# Allegro board SDHCalFEB.brd (continued)
## Routing (per net, layer and track width the routed paths; a pad name or vN(x,y) marks a point on that pad's centre or on a via; arc(x,y) is an arc through that point) (continued)
; U1048.4 v1(197.93,347.5) ; U792.1 v2(284.35,90.42) ; U954.1 v2(105.51,44.37) ; U847.2 v2(244.91,93.99) ; C72.1 v2(309.69,278.63) ; U1041.2 v1(264.6,345.77) ; C1126.2 v2(304.02,38.6) ; 317.63,75.84 v2(318.97,77.19) ; 317.63,75.84 317.75,75.84 ; C949.2 v2(138.46,155.89) ; U806.1 v2(276.97,59.69) ; R2156.1 v2(201.7,99.93) ; C1393.2 v1(268.26,344.42) ; R1500.1 v1(23.54,273.21) ; v2(319.23,316.13) 318.93,315.83 317.59,315.83 ; U30.2 v2(266.62,301.34) ; 78.61,155.85 v2(79.71,154.76) ; 78.61,155.85 v2(79.66,155.85) ; R1416.1 v2(204.5,322.63) ; R2063.1 v2(83.7,113.02) ; R1702.1 v2(300.67,243.46) ; D4.2 v1(348.69,34.24) ; v2(69.11,156.27) TP122.1 v2(68.22,157.16) ; U934.2 v2(175.95,71.33) ; R1761.1 v2(273.26,222.82) ; R2008.1 v2(332.69,144.49) ; C765.1 v2(306.21,118.61) ; TP131.1 v2(52.43,106) ; TP131.1 v2(51.54,105.11) ; TP131.1 v2(53.31,105.11) ; U198.1 v2(86.49,325.56) ; U739.1 v2(91.31,153.49) ; R2145.1 v2(151.68,99.91) ; U400.2 v2(130.01,258.98) ; C764.1 v2(300.73,118.58) ; R1691.1 v2(94.48,252.7) ; R2097.1 v2(188.96,119.23) ; U537.1 v2(266.82,166.47) ; TP27.1 v2(126.77,319.86) ; TP27.1 v2(125.88,320.75) ; TP27.1 v2(124.99,319.86) ; v2(316.31,172.55) TP92.1 v2(317.2,173.44) ; U435.2 v2(109.73,195.9) ; U612.1 v2(250.49,154.22) ; U343.2 v2(183.3,235.33) ; U443.1 v2(123.07,185.42) ; R1830.1 v2(204.47,201.73) ; C1040.2 v2(68.84,118.58) ; U369.2 v2(185.14,199.84) ; U1031.2 v1(55.98,21.09) ; C250.2 v2(141.34,317.06) ; R72.1 v2(326.62,277.74) ; R1154.1 v2(247.02,38.66) ; R1763.1 v2(115.51,224.86) ; R1892.1 v2(266.93,182.22) ; U204.1 v2(52.85,330.48) ; C937.1 v2(139.72,118.61) ; U804.2 v2(334.77,70.6) ; R1815.1 v2(162.71,199.92) ; U929.2 v2(110.53,76.43) ; U156.2 v2(117.08,299.64) ; U939.1 v2(176.68,62.34) ; U605.1 v2(186.84,157.94) ; C688.2 v2(58.73,198.62) ; R2272.1 v2(334.47,61.7) ; U491.2 v1(16.99,195.54) ; R2301.1 v2(179.15,61.47) ; 238.18,315.49 v2(239.17,316.48) ; 238.18,315.49 238.02,315.49 ; 238.18,315.49 v2(239.12,315.49) ; R2054.1 v2(113.76,127.71) ; U106.2 v2(176.91,285.16) ; U536.2 v2(276.79,156.39) ; R1802.1 v2(193.05,214.51) ; U672.1 v2(163.39,157.02) ; U597.1 v2(202.86,170.46) ; U344.2 v2(190.49,236.52) ; R1778.1 v2(254.47,209.75) ; U281.1 v2(261.55,227.1) ; U330.2 v2(235.56,247.46) ; R1432.1 v2(149.76,334.49) ; R1979.1 v2(174.49,147.65) ; R1742.1 v2(179.64,232.9) ; U32.2 v2(258.62,298.32) ; C869.2 238.61,155.8 ; C869.2 238.13,156.47 ; U782.1 v2(324.92,95.29) ; U114.1 v2(244.27,279.42) ; C1423.2 v2(355.83,170.97) ; R320.2 v2(92.43,329.39) ; C1466.1 v1(383.04,108.64) ; 311.83,39.24 v2(311.83,38.54) ; U141.2 v2(123.08,339.04) ; U465.1 v2(51.3,258.93) ; R1556.1 v2(39.91,271.68) ; C1212.2 v2(223.02,38.57) ; U51.1 v2(264.36,270.54) ; U47.1 v2(330.02,280.31) ; U192.2 v2(157.15,270.3) ; U229.1 v1(27.36,292) ; U920.2 v2(130.01,98.91) ; R1988.1 v2(258.77,149.13) ; U834.1 v1(280.6,17.98) ; TP99.1 v2(315.04,113.5) ; TP99.1 v2(315.93,114.38) ; TP99.1 v2(316.81,113.5) ; TP99.1 v2(315.93,112.61) ; U221.2 v1(26.53,310.44) ; TP153.1 v2(219.15,34.53) ; TP153.1 v2(218.26,33.64) ; TP153.1 v2(217.37,34.53) ; U704.1 v2(115.49,104.39) ; U296.1 v2(272.54,208.31) ; U762.1 v2(90.4,124.38) ; R2513.1 v1(386.28,101.4) ; U571.2 v2(263.08,110.46) ; U346.2 v2(182.76,227.23) ; TP88.1 v2(88.57,219.72) ; TP88.1 v2(86.79,219.72) ; TP88.1 v2(87.68,218.83) ; TP88.1 v2(87.68,220.61) ; U789.1 v2(291.33,90.45) ; U148.2 v2(101.59,315.21) ; R2020.1 v2(257.79,147.3) ; U314.2 v2(275.41,183.07) ; U569.1 v2(320.45,117.93) ; R1749.1 v2(326.91,225.67) ; R1968.1 v2(94.48,147.72) ; U779.1 v2(67.46,111.54) ; C518.2 v2(228.94,198.61) ; R1662.1 v2(119.92,252.66) ; 157.86,75.79 157.66,75.79 ; 157.86,75.79 v2(158.8,75.79) ; 180.21,279.3 v2(179.25,279.3) ; 210.05,249.56 v2(210.05,250.52) ; U121.1 v2(210.08,265.28) ; R1442.1 v2(174.47,321.77) ; R2570.2 v1(352.57,252.07) ; R1668.1 v2(324.48,242.69) ; U191.2 v2(166.4,269.08) ; U655.2 v2(155.5,167.45) ; R2566.2 v1(346.72,237.26) ; R1854.1 v2(138.4,194.55) ; U575.1 v2(287.59,97.92) ; R1586.1 v2(152.2,274.01) ; U441.2 v2(103.09,190.5) ; C506.1 v2(231.91,198.6) ; U646.1 v2(246.41,110.41) ; 317.84,156.51 v2(317.84,157.38) ; 317.84,156.51 v2(316.94,157.4) ; 317.84,156.51 C782.2 ; U800.1 v2(266.82,77.9) ; R1913.1 v2(254.48,172.69) ; R2309.1 v1(228.85,29.69) ; R2271.1 v1(24.99,61.21) ; R2229.1 v2(80.68,83.49) ; U272.2 v2(284.8,247.27) ; U852.2 v2(225.5,87.41) ; U641.1 v2(207.58,107.92) ; U664.2 v2(103.95,173.08) ; R2018.1 v2(177.38,156.56) ; U516.2 v2(86.39,189.12) ; v2(332.5,162.91) 333.15,162.26 R1919.1 ; U373.2 v2(241.33,205.55) ; R1620.1 v2(294.02,262.2) ; U338.2 v2(190.32,250) ; R2108.1 v2(243.69,113.02) ; R1555.1 v2(159.1,278.42) ; R238.1 v2(168.58,278.08) ; U1010.1 v1(28.53,48.21) ; U754.1 v2(89.06,125.98) ; U594.2 v2(210.05,170.46) ; U3.1 v2(326.6,325.55) ; U470.2 v2(39,236.5) ; v2(78.49,75.97) 78.28,76.17 C1391.2 ; 201.56,249.56 v2(201.56,250.52) ; U317.2 v2(298.89,177.9) ; U22.1 v2(321.94,317.17) ; U188.1 v2(146.11,257.89) ; U7.1 v2(304.04,326.42) ; U795.1 v2(280.36,76.45) ; U175.1 v2(110.06,275.99) ; U13.2 v2(270.35,330.04) ; v3(261.11,322.2) v2(260.35,322.2) ; U553.2 v2(257.94,135.52) ; U106.1 v2(176.91,286.46) ; R2584.2 v2(359.91,110.1) ; U615.2 v2(185.67,143.42) ; 207.55,188.85 v2(207.55,187.88) ; C81.2 v2(298.78,278.62) ; U292.1 v2(255.42,221.35) ; U945.2 v2(105.51,53.07) ; 158.67,155.83 v2(159.66,156.82) ; U66.2 v2(248.54,322.45) ; U378.2 v2(204.38,185.39) ; U617.2 v2(178.66,138.32) ; U515.2 v2(89.47,178.89) ; U91.2 v2(199.75,299.47) ; U560.2 v2(273.66,131.43) ; C775.2 v2(299.17,155.23) ; U259.1 v2(66.6,270.95) ; R1732.1 v2(94.24,238.08) ; 238.02,315.49 238.66,314.86 v2(239.12,314.86) ; 238.02,315.49 v3(237.72,315.49) 237.72,314.76 ; U564.2 v2(265.43,120.05) ; U11.2 v2(283.08,339.02) ; TP166.1 v2(67.87,77.4) ; TP166.1 v2(68.76,76.51) ; TP166.1 v2(67.87,75.62) ; U297.2 v2(334.04,214.36) ; U7.2 v2(304.04,328.94) ; U859.2 v2(183.94,93.07) ; R2220.1 v2(54.47,82.72) ; R2340.1 v1(150.5,27.23) ; U71.1 v2(234.04,330.02) ; U366.1 v2(177.9,206.83) ; U874.1 v2(254.76,62.31) ; R1678.1 v2(282.15,245.96) ; R2099.1 v2(51.68,99.91) ; R1862.1 v2(120.7,187.45) ; R1992.1 v2(257.84,161.46) ; 157.66,75.79 158.75,76.89 v2(158.76,76.89) ; 157.66,75.79 C1304.2 ; U87.2 v2(240.3,317.01) ; C1391.2 v2(76.95,74.51) ; C1391.2 v2(78.52,74.6) ; U369.1 v2(185.14,201.14) ; U473.1 v2(37.16,238) ; R1476.1 v1(18.16,325.83) ; U451.2 v2(166.4,189.12) ; U587.2 v2(244.88,174) ; U202.2 v2(61.53,330.58) ; U710.2 v2(168.92,97.94) ; C1210.2 v2(218.47,75.85) ; C1029.1 v2(69.84,118.58) ; TP110.1 v2(248.95,141) ; TP110.1 v2(247.17,141) ; TP110.1 v2(248.06,141.89) ; TP110.1 v2(248.06,140.12) ; R1519.1 v2(162.94,289.7) ; v2(158.72,128.5) TP121.1 v2(157.84,129.39) ; U849.1 v2(244.02,90.02) ; U373.1 v2(241.33,206.85) ; U699.1 v2(160.18,117.93) ; U1026.2 v2(38.01,36.8) ; U990.2 v2(38.55,78.89) ; R2335.1 v1(229.26,19.74) ; 317.71,235.52 v2(316.85,234.66) ; 317.71,235.52 v2(317.71,234.49) ; J34.B28 v1(391.92,196.73) ; U1068.7 v1(82.63,353) ; R1570.1 v2(178.88,282.25) ; C1028.1 v2(71.85,118.58) ; C426.2 v2(301.36,236.94) ; R1593.1 v2(202.23,268.84) ; U120.2 v2(203.68,261.57) ; R1431.1 v2(301.98,333.71) ; R1780.1 v2(78.84,198.41) ; U86.1 v2(181.71,307.3) ; U165.1 v2(104.14,292.22) ; R1821.1 v2(263.47,197.69) ; U602.2 v2(185.51,166.47) ; R2276.1 v2(320.42,62.2) ; U976.2 v2(89.14,81.41) ; U854.1 v2(212.85,90.42) ; U90.1 v2(188.29,305.74) ; U470.1 v2(40.3,236.5) ; R2132.1 v2(177.45,112.2) ; TP22.1 v2(307.54,317.63) ; TP22.1 v2(307.54,315.85) ; TP22.1 v2(306.65,316.74) ; TP22.1 v2(308.43,316.74) ; R2264.1 v2(273.84,70.66) ; U774.1 v2(77.58,97.94) ; R1399.1 v2(254.48,332.77) ; U190.2 v2(169.48,258.83) ; U552.1 v2(258.67,139.64) ; R2310.1 v1(149.17,29.87) ; R1864.1 v2(259.92,192.68) ; U276.1 v2(275.57,236.37) ; U306.2 v2(265.4,193.08) ; R1804.1 v2(74.5,191.69) ; 143.09,199.26 v2(143.09,198.56) ; U599.2 v2(185.18,173.05) ; U785.2 v2(315.49,87.44) ; U29.1 v2(334.04,300.03) ; U757.1 v2(26.49,116.53) ; R1757.1 v2(275.61,224.81) ; U502.1 v2(90.37,205.89) ; U110.2 v2(190.88,276.12) ; U417.1 v2(171.73,235.4) ; U397.2 v2(145.54,247.43) ; U210.1 v2(39.87,317.53) ; U586.1 v2(249.83,162.51) ; C858.2 v2(237.83,153.53) ; C600.2 v2(156.52,204.8) ; R2023.1 v1(24.48,111.08) ; U778.1 v2(70.45,113.06) ; C504.1 v2(226.1,198.55) ; C1402.2 v1(192.32,351.56) ; 131.35,266.32 v2(131.35,265.35) ; U100.1 v2(184.4,292.23) ; U331.1 v2(234.06,250.02) ; C73.1 v2(305.01,278.6) ; C512.2 v2(238.32,204.79) ; R1487.1 v2(159.18,301.96) ; R2053.1 v2(193.79,127.68) ; C428.2 v2(308.82,198.44) ; U1001.1 v1(31.58,56.95) ; U92.1 v2(255.55,304.88) ; R1697.1 v2(259.93,251.72) ; U852.1 v2(225.5,84.89) ; R1596.1 v2(268.16,271.45) ; U984.1 v2(52.85,90.42) ; R2052.1 v2(273.9,127.71) ; C159.1 v2(229.63,278.5) ; U16.1 v2(275.49,316.4) ; R2116.1 v2(218.41,114.5) ; U415.2 v2(107.42,225.74) ; R2356.1 v2(124.49,41.71) ; TP82.1 v2(55.24,248.78) ; TP82.1 v2(55.24,247) ; TP82.1 v2(54.36,247.89) ; U850.1 v2(235.48,84.89) ; R1648.1 v2(332.2,250.38) ; U38.2 v2(327.28,296.17) ; U326.1 v2(249.83,242.44) ; U595.1 v2(211.35,178.92) ; U164.1 v2(97.84,291.51) ; 202.86,249.56 v2(202.86,250.52) ; U253.2 v2(68.87,257.89) ; U742.2 v2(90.81,154.29) ; U340.1 v2(200.3,236.52) ; U378.1 v2(203.08,185.39) ; R1549.1 v2(319.35,278.44) ; U713.2 v2(148.53,114.02) ; R2286.1 v2(105.66,66.32) ; R2006.1 v2(98.94,153.67) ; R1978.1 v2(254.52,147.72) ; R2354.1 v2(284.48,41.68) ; U140.2 v2(130.01,339.04) ; TP167.1 v2(43.33,79.31) ; TP167.1 v2(44.22,80.2) ; TP167.1 v2(44.22,78.42) ; TP167.1 v2(45.11,79.31) ; U795.2 v2(279.06,76.45) ; U776.1 v2(86.44,110.41) ; U500.1 v2(37.03,195.36) ; U544.2 v2(334.77,152.08) ; U512.2 v2(57.39,177.9) ; U667.1 v2(106.83,166.47) ; TP71.1 v2(120.22,237.85) ; TP71.1 v2(120.22,239.63) ; TP71.1 v2(119.33,238.74) ; TP71.1 v2(121.11,238.74) ; R1711.1 v2(279.92,252.68) ; C1425.2 v2(355.78,147.85) ; C339.2 v2(77.86,311.23) ; R1506.1 v2(178.65,301.45) ; U719.2 v2(84.02,171.33) ; R1900.1 v2(179.91,182.75) ; R1748.1 v2(95.29,211.53) ; U933.1 v2(166.82,74.96) ; U293.2 v2(256.21,216.17) ; U264.2 v2(314.8,257.23) ; v1(240.37,357.07) R1354.1 v1(239.61,356.13) ; U509.1 v2(40.41,187.99) ; TP81.1 v2(87.3,249.56) ; TP81.1 v2(86.41,248.67) ; TP81.1 v2(85.52,249.56) ; TP81.1 v2(86.41,250.45) ; 269.37,66.11 v2(268.4,66.11) ; U90.2 v2(188.29,304.44) ; U218.1 v2(77.29,314.52) ; R1707.1 v2(190.41,242.19) ; U461.2 v2(74.07,251.32) ; U17.1 v2(266.88,326.52) ; R1471.1 v2(122.68,316.03) ; R1464.1 v2(95.96,300.74) ; U691.2 v2(97.97,125.49) ; U68.2 v2(246.58,326.85) ; U323.2 v2(308.55,194.06) ; R2358.1 v2(271.68,39.9) ; U740.1 v1(27.1,153.32) ; R2051.1 v1(29.79,109.56) ; U103.2 v2(242.29,299.82) ; U242.2 v2(88.53,289) ; R2203.1 v2(140.72,95.98) ; R2100.1 v2(258.43,123.68) ; R1450.1 v2(180.34,322.2) ; R1866.1 v2(108.18,191.47) ; R2259.1 v2(82.55,65.23) ; R1433.1 v2(214.48,332.66) ; R2140.1 v2(241.7,99.91) ; U895.1 v2(196.42,40.43) ; R1669.1 v2(175.48,240.71) ; C1033.2 v2(78.12,153.45) ; U666.1 v2(115.5,156.41) ; R1694.1 v2(143.02,253.72) ; U546.2 v2(276.92,139.4) ; U442.2 v2(112.89,178.87) ; U1006.1 v2(29.86,59.33) ; U127.2 v2(240,273.94) ; U512.1 v2(56.09,177.9) ; R1401.1 v2(239.78,334.49) ; C67.1 v2(299.78,278.63) ; C768.1 v2(309.95,118.61) ; U358.2 v2(177.9,215.53) ; R1463.1 v2(98.22,309.75) ; U593.1 v2(224.03,170.03) ; C1481.2 v2(344.7,104.56) ; C1481.2 347.24,104.01 ; C1481.2 v2(345.55,103.42) ; C1481.2 v2(345.61,105.64) ; C681.1 v2(69.89,198.62) ; U797.2 v2(265.5,86.46) ; R2125.1 v2(120.7,107.48) ; U410.1 v2(106.85,238) ; R1629.1 v2(186.95,262.21) ; R1449.1 v2(124.24,321.85) ; U895.2 v2(196.42,39.13) ; R2034.1 v2(112.47,140.7) ; R1785.1 v2(262.87,207.01) ; U124.1 v2(237.56,257.86) ; U401.1 v2(124.38,258.93) ; C71.1 v2(311.61,278.63) ; U590.1 v2(235.53,164.93) ; C594.1 v2(149.83,198.59) ; U189.2 v2(158.84,257.86) ; U925.2 v2(119.06,76.48) ; R1472.1 v2(98.02,315.37) ; R1824.1 v2(81.71,179.91) ; U350.1 v2(188.54,226.03) ; U118.1 v2(204.54,266.8) ; U873.2 v2(241.72,67.26) ; C80.2 v2(298.11,316.36) ; R1965.1 v2(294.5,162.68) ; U203.2 v2(58.86,327.91) ; v1(361.16,287.86) C1473.2 362.69,290.68 v1(362.94,290.93) ; U226.1 v2(28.64,303.07) ; R2081.1 v2(237.71,118.42) ; U367.1 v2(177.39,199.97) ; U435.1 v2(109.73,197.2) ; R1797.1 v2(271.53,214.73) ; U572.2 v2(272.88,98.88) ; R1881.1 v2(234.01,182.22) ; TP164.1 v2(134.98,38.16) ; TP164.1 v2(135.86,39.09) ; TP164.1 v2(135.86,37.27) ; TP164.1 v2(136.75,38.16) ; U477.2 v2(80.96,237.01) ; R1922.1 v2(160.68,163.5) ; U751.2 v1(17.6,117.64) ; U443.2 v2(124.37,185.42) ; R2539.1 v1(377.9,279.6) ; C511.2 v2(221.35,237.05) ; U277.2 v2(265.55,246.53) ; R1709.1 v2(238.95,230.74) ; R2176.1 v2(334.48,92.71) ; U83.2 v2(182.4,315.68) ; U616.2 v2(176.99,144.11) ; U535.2 v2(279.03,156.49) ; R1406.1 v2(279.91,332.71) ; U532.1 v2(282.87,170.46) ; U798.2 v2(261.91,74.98) ; 208.85,188.85 v2(208.85,187.88) ; U66.1 v2(249.84,322.45) ; R2123.1 v2(280.72,107.48) ; R1755.1 v2(176.02,227.44) ; R1634.1 v2(106.94,262.21) ; U961.1 v2(119.6,36.63) ; U912.2 v2(164.95,93.99) ; U76.1 v2(204.37,338.99) ; TP93.1 v2(280.14,158) ; TP93.1 v2(280.14,159.77) ; TP93.1 v2(279.25,158.89) ; TP93.1 v2(281.03,158.89) ; U406.2 v2(116.8,236.4) ; R1636.1 v2(99.91,262.67) ; C951.2 v2(142.78,118.55) ; U60.1 v2(327.56,257.88) ; U712.1 v2(161.33,114.05) ; R1766.1 v2(194.99,219.26) ; U411.2 v2(104.33,227.1) ; R1739.1 v2(114.66,234.48) ; C863.2 v2(218.78,118.58) ; 310.84,39.24 v2(310.84,38.54) ; U913.2 v2(165.48,87.44) ; U250.1 v2(47.53,257.94) ; R1686.1 v2(100.39,242.19) ; U218.2 v2(77.29,313.22) ; U274.1 v2(265.88,254.03) ; 308.87,39.24 v2(308.87,38.54) ; R2273.1 v2(253.75,59.94) ; U428.2 v2(165.5,218.52) ; R2252.1 v2(258.87,69.12) ; U403.1 v2(110.39,251.33) ; R2111.1 v2(315.97,110.71) ; U364.1 v2(247.91,206.1) ; R2056.1 v2(264.16,130.06) ; U917.1 v2(145.47,84.89) ; v1(341.63,321.84) R2558.2 v1(342.4,321.06) ; U539.1 v2(271.85,156.46) ; R1540.1 v2(83.7,272) ; R1961.1 v2(304.49,162.71) ; U980.1 v2(75.49,84.87) ; R1765.1 v2(268.41,223.17) ; C1120.2 v2(317.41,73.47) ; U588.2 v2(245.49,167.42) ; R2194.1 v2(273.66,95.98) ; R2164.1 v2(179.92,102.72) ; R1576.1 v2(51.76,259.93) ; U132.1 v2(171.32,338.89) ; C1386.2 v2(62.97,38.56) ; R1923.1 v2(150.67,163.5) ; U24.2 v2(338.03,310.32) ; U679.1 v2(169.62,143.63) ; R1704.1 v2(124.48,242.69) ; C252.2 v2(157.63,313.4) ; R2026.1 v2(116.37,143.86) ; 158.33,315.1 v2(159.38,314.05) ; 158.33,315.1 158.33,314.46 v2(157.96,314.1) ; 158.33,315.1 C261.2 159.28,315.95 ; U837.1 v1(303.84,14.07) ; U135.2 v2(156.59,326.81) ; U56.1 v2(287.56,267.86) ; C245.1 v2(151.88,278.63) ; U439.1 v2(160.67,207.98) ; U454.1 v2(147.55,191.52) ; R1541.1 v2(335.96,284.65) ; U6.1 v2(314.02,330.02) ; U42.1 v2(259.25,281.56) ; R1788.1 v1(30.27,188.99) ; U431.2 v2(97.87,205.55) ; U726.1 v2(44.37,178.89) ; U924.1 v2(105.86,94.03) ; R1544.1 v2(74.46,271.7) ; R1836.1 v2(51.69,179.91) ; U59.2 v2(318.85,257.88) ; U518.1 v2(69.84,194.06) ; U258.1 v2(69.82,273.99) ; R1868.1 v2(334.01,182.22) ; C605.2 v2(148.84,198.58) ; U118.2 v2(205.84,266.8) ; U851.2 v2(234.04,91.32) ; U95.2 v2(184.58,302.84) ; U183.1 v2(124.09,266.47) ; v2(330.25,48.49) TP142.1 v2(331.14,49.38) ; R1357.1 v1(198.55,344.33) ; v1(351.08,182.47) U1057.5 v1(353.82,182.47) ; R1955.1 v2(80.67,161.93) ; U374.2 v2(242.53,198.6) ; R2285.1 v2(185.7,66.19) ; R1834.1 v2(188.7,198.96) ; U711.1 v2(166.4,110.41) ; U631.2 v2(193.99,108.15) ; U874.2 v2(254.76,63.61) ; R2331.1 v2(181.41,51.23) ; U616.1 v2(176.99,145.41) ; R71.2 v2(336.78,312.76) ; R1942.1 v2(150.75,168.4) ; U951.1 v2(97.94,46.81) ; U904.2 v1(226.55,23.72) ; U545.2 v2(268.17,145.12) ; U872.2 v2(254.18,67.37) ; R2210.1 v2(219.92,82.71) ; R1574.1 v2(256,269.74) ; TP98.1 v2(292.68,104.17) ; TP98.1 v2(293.57,105.06) ; TP98.1 v2(291.8,105.06) ; TP98.1 v2(292.68,105.95) ; U526.1 v2(302.49,174.39) ; R2067.1 v2(74.49,111.71) ; R1616.1 v2(300.74,258.42) ; U689.2 v2(166.38,136.65) ; U402.1 v2(122.85,250.47) ; C684.2 v2(61.33,237.07) ; R1236.2 v2(172.43,89.13) ; R1414.1 v2(213.72,325.96) ; R986.2 v2(91.69,169.39) ; R1888.1 v2(281.74,179.91) ; TP103.1 v2(227.43,156.68) ; TP103.1 v2(225.65,156.68) ; TP103.1 v2(226.54,157.57) ; R2524.1 v1(382.27,97.15) ; R1497.1 v2(274.05,301.48) ; R2295.1 v1(23.47,52.45) ; U278.1 v2(260.41,235.18) ; U345.2 v2(185.54,237.97) ; U147.1 v2(106.85,326.52) ; R1510.1 v2(254.64,294.48) ; U480.1 v1(27.43,235.34) ; U1003.1 v2(87.2,62.92) ; C166.2 v2(218.47,315.94) ; R1953.1 v2(179.91,171.7) ; C1200.1 v2(226.1,38.6) ; R1421.1 v2(85.98,313.66) ; R2352.1 v1(111.89,29.72) ; C257.2 v2(148.91,278.62) ; U849.2 v2(244.02,91.32) ; U831.1 v2(279.16,37.11) ; U76.2 v2(203.07,338.99) ; U716.1 v2(89.83,162.38) ; U922.2 v2(121.55,90.4) ; R2093.1 v2(204.49,121.69) ; R1480.1 v1(22.17,298.83) ; C1304.2 v2(157.36,77.32) ; C1304.2 v2(157.36,74.27) ; U40.2 v2(273.15,291.46) ; R2129.1 v2(108.21,111.46) ; 78.11,235.86 v2(79.28,235.86) ; 78.11,235.86 77.95,235.86 ; 78.11,235.86 v2(79.44,237.2) ; U918.2 v2(143.99,91.32) ; TP44.1 v2(40.46,274.8) ; TP44.1 v2(40.46,276.58) ; TP44.1 v2(41.35,275.69) ; TP44.1 v2(39.57,275.69) ; U997.1 v2(81.2,77.01) ; U550.1 v2(264.59,144.11) ; R1781.1 v2(327.84,210.51) ; U634.2 v2(240.85,117.91) ; U640.2 v2(208.88,97.92) ; U707.1 v2(136.1,97.94) ; U651.2 v2(168.54,162.36) ; U656.1 v2(142.47,174.36) ; U361.2 v2(185.62,208.62) ; U876.1 v2(177.22,65.32) ; R1782.1 v2(242.82,209.15) ; C1288.1 v2(142.35,77.03) ; U598.1 v2(190.37,171.34) ; R2019.1 v2(84.41,128.76) ; U580.2 v2(328.86,97.94) ; U245.1 v2(36.32,281.86) ; U797.1 v2(266.79,86.46) ; v1(236.21,353.39) C1400.2 v1(235.42,352.56) ; U284.1 v2(338,229.04) ; U673.1 v2(166.85,154.99) ; R2282.1 v2(162.99,65.25) ; U332.1 v2(225.53,244.91) ; R1692.1 v2(80.74,248.42) ; U587.1 v2(244.88,175.3) ; U355.2 v2(184.71,222.77) ; R1684.1 v2(77.3,231.4) ; R1934.1 v2(174.47,172.72) ; R1504.1 v1(20.77,273.01) ; U824.2 v2(265.51,43.07) ; R1526.1 v2(184.15,289.98) ; R2280.1 v2(319.56,63.83) ; R1423.1 v2(100.36,322.2) ; U379.2 v2(195.48,183.07) ; U154.2 v2(170.02,316.97) ; U495.1 v1(28.35,197.01) ; U1044.5 v1(267.47,349.65) ; U102.2 v2(251.82,287.86) ; U637.1 v2(191.6,98.91) ; U658.2 v2(144.02,171.33) ; U143.1 v2(113.36,330.32) ; R1483.1 v2(173.76,301.96) ; U104.2 v2(248.13,286.82) ; U71.2 v2(234.04,331.32) ; U869.2 v2(255.96,71.33) ; R1663.1 v2(39.91,252.68) ; U395.1 v2(155.55,244.91) ; R1786.1 v2(245.89,208.9) ; U300.1 v2(274.5,212.46) ; U199.1 v2(86.03,330.03) ; U774.2 v2(78.88,97.94) ; C778.2 v2(303.92,118.61) ; C256.2 v2(143.78,278.49) ; C763.1 v2(299.74,118.58) ; R1543.1 v2(98.51,293.68) ; U32.1 v2(258.62,299.62) ; U283.2 v2(329.36,231.38) ; U846.1 v2(249.83,82.37) ; 237.19,76.07 v2(238.76,74.5) ; 237.19,76.07 v2(238.57,76.07) ; 237.19,76.07 C1217.2 ; C1381.2 v2(77.05,73.44) ; 318.36,155.85 C782.2 ; 318.36,155.85 v2(319.29,154.93) ; R1812.1 v2(50.72,188.42) ; U309.2 v2(321.83,197.89) ; U267.1 v2(305.56,244.94) ; U15.1 v2(280.31,316.51) ; R1391.1 v2(99.92,331.72) ; U407.1 v2(106.83,246.48) ; R1850.1 v2(154.48,191.69) ; R2572.2 v1(346.92,252.09) ; U495.2 v1(27.38,198.92) ; U132.2 v2(170.02,338.89) ; U366.2 v2(177.9,205.53) ; R1960.1 v2(53.71,163.5) ; R1954.1 v2(99.9,171.7) ; U204.2 v2(52.16,329.51) ; C685.2 v2(77.79,233.46) ; U920.1 v2(131.31,98.91) ; U871.2 v2(197.39,59.82) ; R2209.1 v2(309.91,82.71) ; U494.1 v2(91.38,218.36) ; R1682.1 v2(260.38,242.19) ; R1563.1 v2(104.5,280.03) ; U357.2 v2(178.61,218.3) ; R2013.1 v2(242.72,139.91) ; R2218.1 v2(260.71,93.01) ; R2094.1 v2(124.5,121.69) ; U850.2 v2(235.48,87.41) ; U791.1 v2(284.37,98.91) ; C335.1 v2(70.82,278.52) ; 82.33,199.52 v2(82.33,198.55) ; U280.1 v2(265.37,238) ; U801.1 v2(263.15,67.13) ; R1575.1 v2(98.89,283.67) ; C773.2 v2(313.32,120.26) ; U627.2 v2(176.81,117.16) ; U840.1 v2(304.41,33.83) ; U801.2 v2(264.45,67.13) ; U669.1 v2(111.8,156.46) ; U423.1 v2(98.88,217.44) ; R2206.1 v2(335.45,80.72) ; U518.2 v2(68.54,194.06) ; R1525.1 v2(258.38,287.99) ; U868.1 v2(246.86,74.96) ; U941.1 v2(97.23,65.42) ; R1715.1 v2(134.48,242.69) ; U169.2 v2(167.93,296.49) ; U319.2 v2(319.47,178.87) ; U254.1 v2(77.53,257.89) ; U528.2 v2(304.04,171.33) ; U746.2 v1(25.92,143.08) ; R2222.1 v2(39.91,82.73) ; U273.1 v2(270.38,251.33) ; U552.2 v2(258.67,138.34) ; R2058.1 v2(104.14,129.99) 